# Altium PCB PCB1.PcbDoc (part 1 of 2) (continued)
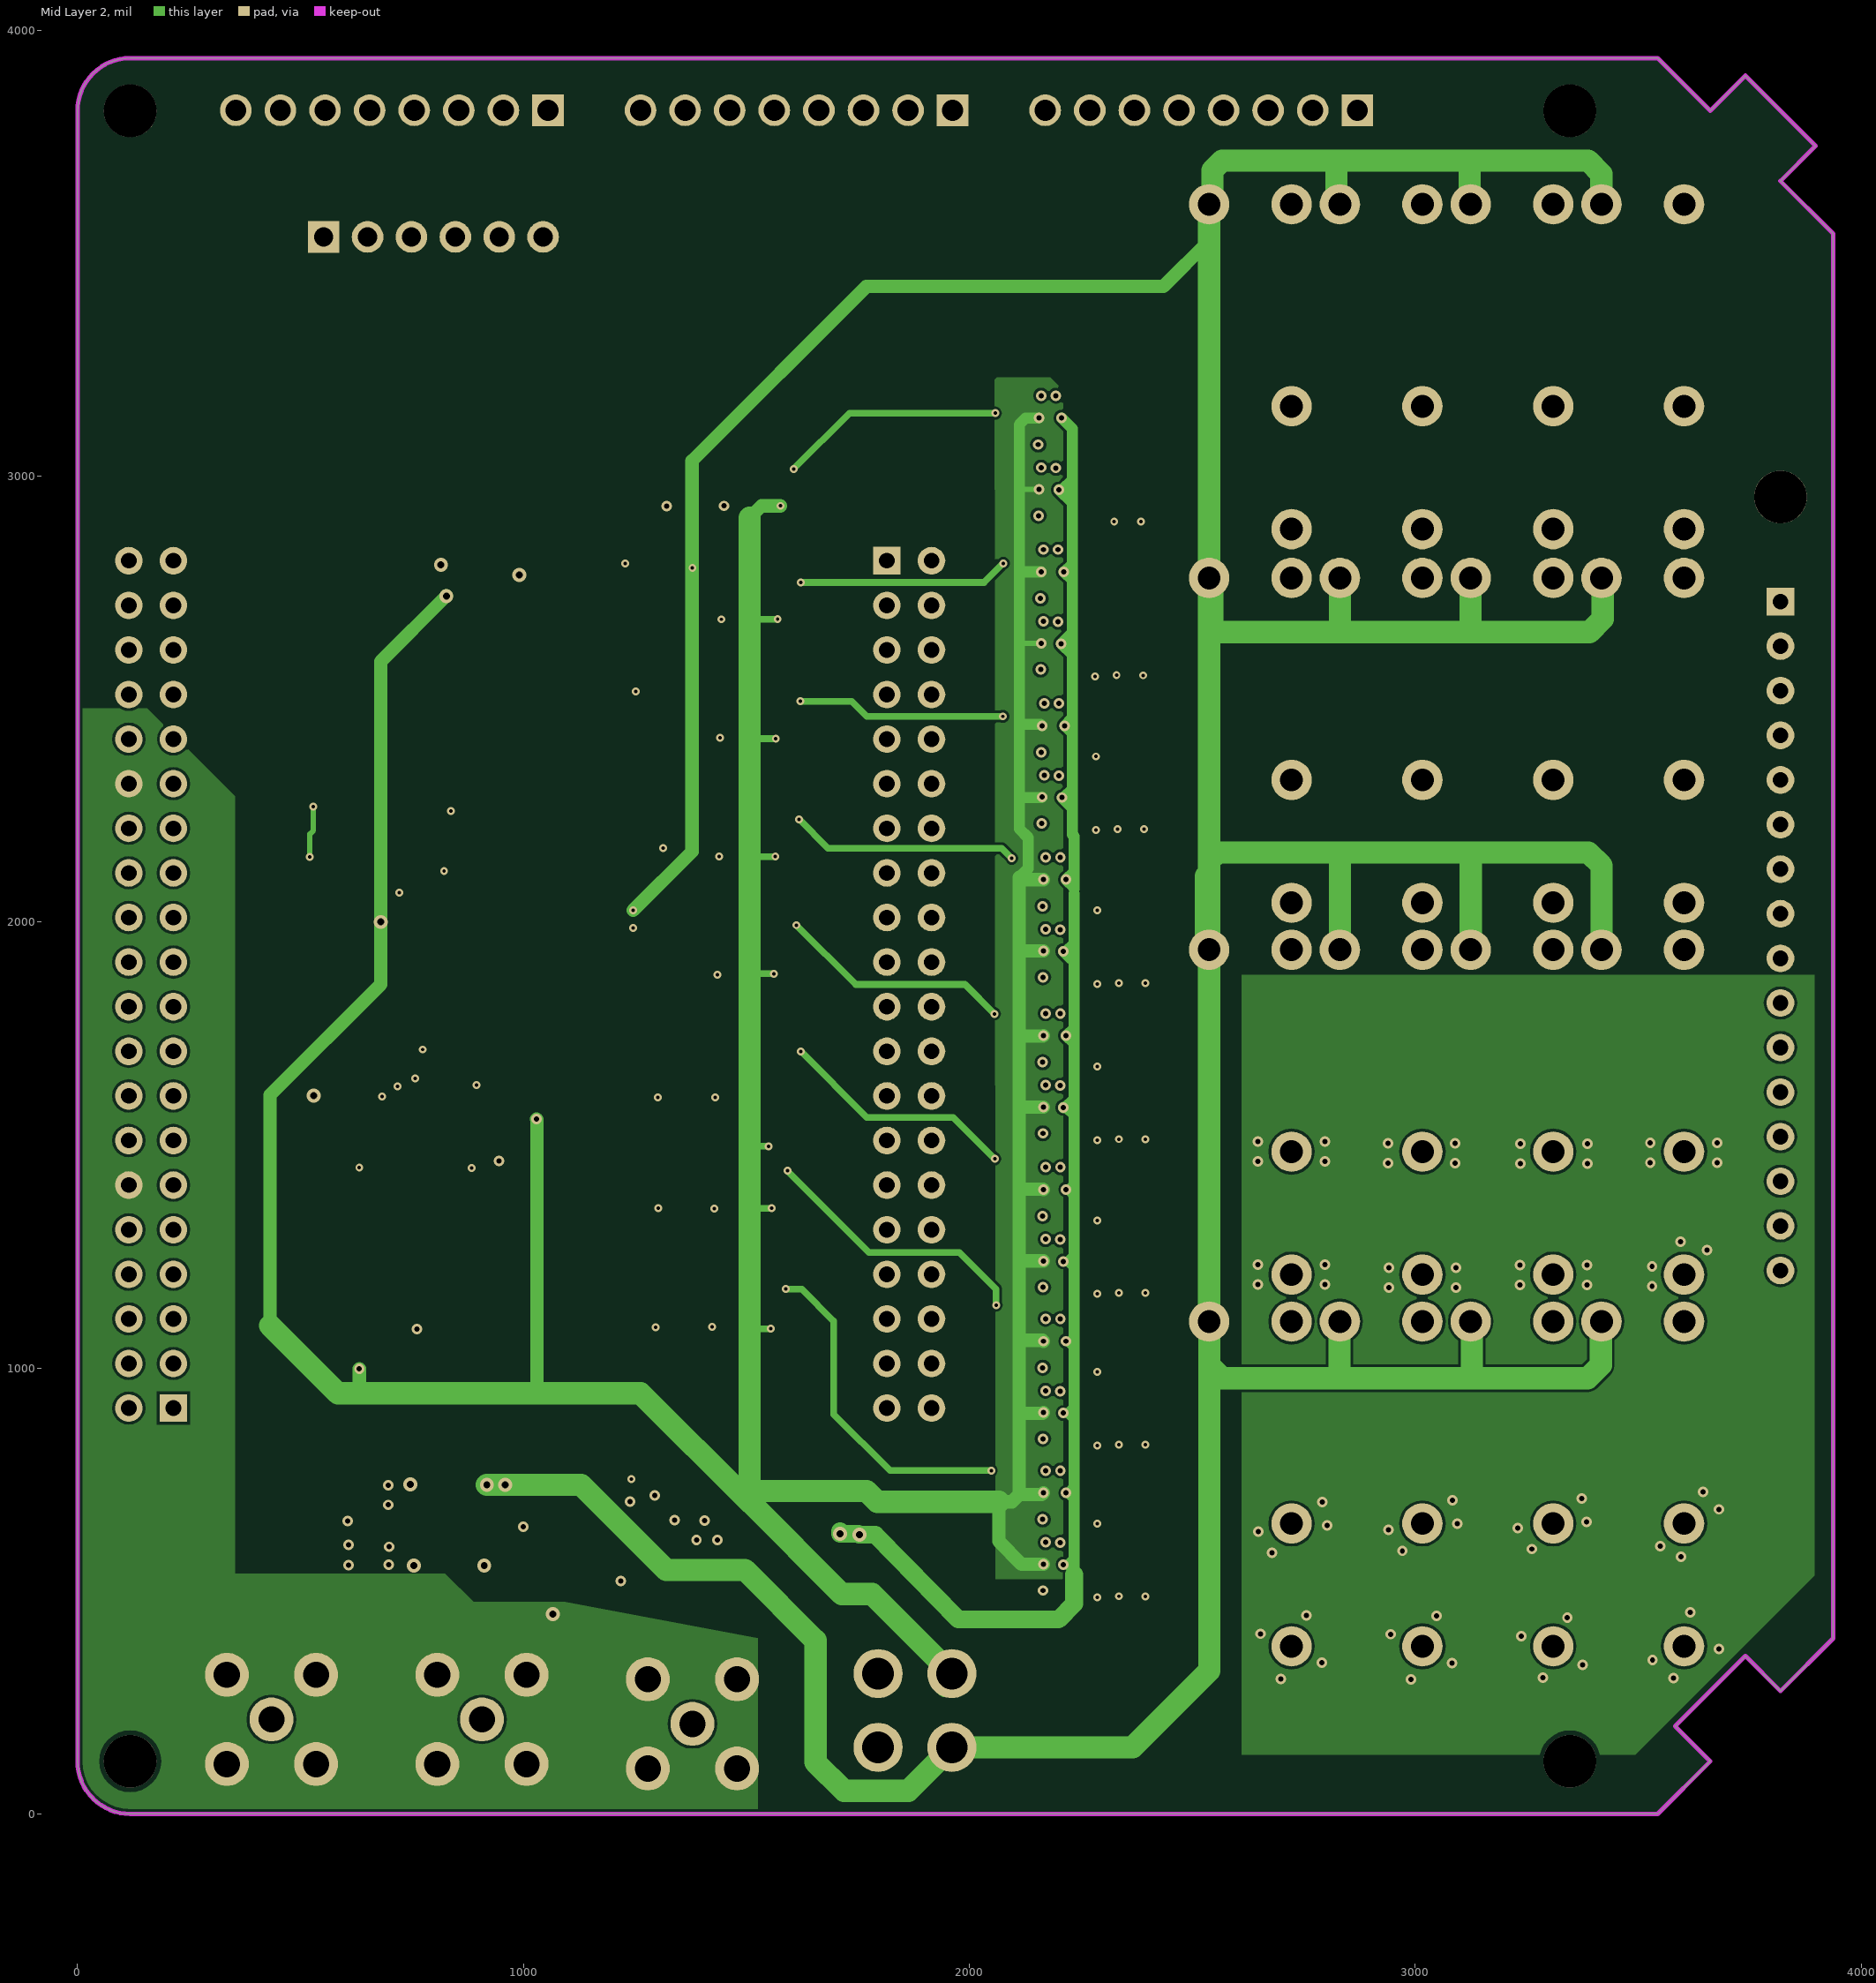
[diagram p3: Mid Layer 2]

## Layer stack, top to bottom
Top Solder: solder mask 0.5, Solder Resist, Dk 3.8
Top Layer: signal copper 1.378
Dielectric 1: prepreg 3.937, 2313, Dk 4.05
Mid Layer 1: signal copper 0.689
Core: core 49.8031, FR-4, Dk 4.5
Mid Layer 2: signal copper 0.689
Dielectric 2: prepreg 3.937, 2313, Dk 4.05
Bottom Layer: signal copper 1.378
Bottom Solder: solder mask 0.5, Solder Resist, Dk 3.8

## Board outline
0,118.11 ccw(c118.11,118.11) 118.11,0 3543.31,0 3661.42,118.11 3655.21,124.29 3582.71,196.89 3740.21,354.29 3818.91,275.59 3937.01,393.7 3937.01,3543.31 3818.9,3661.41 3897.6,3740.11 3740.2,3897.61 3667.6,3825.11 3661.42,3818.9 3543.31,3937.01 118.11,3937.01 ccw(c118.11,3818.9) 0,3818.9

## Design rules (kind name [scope] priority, off if disabled: settings)
BoardOutlineClearance [All] p1: gap=7.87 ignorepadtopadclearanceinfootprint=FALSE
Clearance [All] p1: gap=6 ignorepadtopadclearanceinfootprint=FALSE except(4: Arc-Arc Arc-Track Arc-SMDPad Arc-THPad Arc-Text Track-Track Track-SMDPad Track-THPad Track-Text SMDPad-SMDPad SMDPad-THPad SMDPad-Text THPad-THPad THPad-Text Fill-Text Poly-Text Region-Text Text-Text; 5: Arc-Via Track-Via SMDPad-Via THPad-Via Via-Via Via-Text; 9.84: Arc-Hole Track-Hole SMDPad-Hole THPad-Hole Via-Hole Fill-Hole Poly-Hole Region-Hole Text-Hole)
Clearance "Polygon Pour Clearence" [InPolygon] p2: gap=10 ignorepadtopadclearanceinfootprint=FALSE except(4: Arc-Arc Arc-Track Arc-SMDPad Arc-THPad Arc-Text Track-Track Track-SMDPad Track-THPad Track-Text SMDPad-SMDPad SMDPad-THPad SMDPad-Text THPad-THPad THPad-Text Fill-Text Poly-Text Region-Text Text-Text; 5: Arc-Via Track-Via SMDPad-Via THPad-Via Via-Via Via-Text; 9.84: Arc-Hole Track-Hole SMDPad-Hole THPad-Hole Via-Hole Fill-Hole Poly-Hole Region-Hole Text-Hole)
ComponentClearance [All] p1: gap=4 collisioncheckmode=3 verticalgap=4 showdistances=TRUE
DiffPairsRouting [All] p1: maxlimit=4 minlimit=4 mostfreqgap=4 toplayer_minwidth=4 toplayer_maxwidth=71497.94 toplayer_prefwidth=4 midlayer1_minwidth=4 midlayer1_maxwidth=71497.94 midlayer1_prefwidth=4 midlayer2_minwidth=4 midlayer2_maxwidth=71497.94 midlayer2_prefwidth=4 bottomlayer_minwidth=4 bottomlayer_maxwidth=71497.94 bottomlayer_prefwidth=4 maxuncoupledlength=500
Height [All] p1: minheight=0 maxheight=71497.94 prefheight=500
HoleSize [All] p1: absolutevalues=TRUE maxlimit=248.03 minlimit=7.87 maxpercent=80.000 minpercent=20.000
HoleToHoleClearance [All] p1: gap=9.84 allowstackedmicrovias=FALSE
MinimumAnnularRing [All] p1: minimumring=3
MinimumSolderMaskSliver [All] p1: minsoldermaskwidth=0
PlaneClearance [All] p1: clearance=4
PlaneConnect PlaneConnectPowerPads [InPadClass('PowerPads')] p1: planeconnectstyle=Direct reliefexpansion=20 reliefentries=4 reliefconductorwidth=10 reliefairgap=10
PlaneConnect [All] p2: pad.planeconnectstyle=Relief pad.reliefexpansion=11.81 pad.reliefentries=4 pad.reliefconductorwidth=4 pad.reliefairgap=4 via.planeconnectstyle=Direct via.reliefexpansion=11.81 via.reliefentries=4 via.reliefconductorwidth=5 via.reliefairgap=5
PolygonConnect PolygonConnectPowerPads [All vs (InPadClass('PowerPads'))] p1: connectstyle=Direct reliefconductorwidth=10 reliefentries=4 polygonreliefangle="90 Angle" airgapwidth=10
PolygonConnect [All] p2: connectstyle=Direct reliefconductorwidth=4 reliefentries=4 polygonreliefangle="90 Angle" airgapwidth=4
RoutingVias [All] p1: holewidth=7.87 width=17.72 viastyle="Through Hole" minholewidth=7.87 minwidth=17.72 maxholewidth=248.03 maxwidth=257.87
SilkToSilkClearance [All] p1: silktosilkclearance=0
SilkToSolderMaskClearance [IsPad] p1: minsilkscreentomaskgap=4 clearancetoexposedcopper=TRUE
SolderMaskExpansion [All] p1: expansion=1.97
Width [All] p1: maxlimit=71497.94 minlimit=4 preferedwidth=4
20 further rules are at their usual default settings.

## Classes and differential pairs
component class "Level Translateor switches": C33 C34 Q1 Q2 Q3 Q4 Q5 Q6 Q7 Q8 R23 R24 R28 R29 R30 R39 R40 R43 R44 R49 R50 R51 R52 R53 R54 R55 R56 R57 R58 R59 R60 R61 R62 R63 R64 R65 R66 R67 R68 R69 R70 R71 T1 T2 T3 T4 T5 T6 T7 T8 T9 T10 T11 T12 T13 T14 T15 T16 U19 U25
component class "Shift Registers": C43 C44 CN4 U21 U22 U23 U24
component class "Logic Voltage Source": C41 C42 C45 C46 JP2 R6 R10 R11 R12 R22 U1 U20
component class "Level Translators": C1 C2 C3 C4 C5 C6 C7 C8 C9 C10 C11 C12 C13 C14 C15 C16 C17 C18 C19 C20 C21 C22 C23 C24 C25 C26 C27 C28 C29 C30 C31 C32 R1 R2 R3 R7 R8 R9 R13 R14 R15 R16 R17 R18 R19 R20 R21 R25 R26 R27 R31 R32 R33 R34 R35 R36 R37 R38 R41 R42 R45 R46 R47 R48 RLY1 RLY2 RLY3 RLY4 RLY5 RLY6 RLY7 RLY8 RLY9 RLY10 RLY11 RLY12 RLY13 RLY14 RLY15 RLY16 U3 U4 U5 U6 U7 U8 U9 U10 U11 U12 U13 U14 U15 U16 U17 U18
component class FPGA: CN1 CN2 CN3 CN5 P1 RF1 RF2 RF3 U2

## Components (designator, comment, footprint, x,y, rotation, side; value= is the part's Value field where it differs from the comment)
C1 "100nF" C0603 2132.56,1110 r180 top
C2 "100nF" C0603 2242.56,1110 r180 top
C3 "100nF" C0603 2122.44,3180 r180 top
C4 "100nF" C0603 2232.44,3180 r180 top
C5 "100nF" C0603 2132.44,2145 r180 top
C6 "100nF" C0603 2242.44,2145 r180 top
C7 "100nF" C0603 2132.56,950 r180 top
C8 "100nF" C0603 2242.56,950 r180 top
C9 "100nF" C0603 2122.44,3020 r180 top
C10 "100nF" C0603 2232.44,3020 r180 top
C11 "100nF" C0603 2132.44,1985 r180 top
C12 "100nF" C0603 2242.44,1985 r180 top
C13 "100nF" C0603 2132.56,770 r180 top
C14 "100nF" C0603 2242.56,770 r180 top
C15 "100nF" C0603 2127.56,2835 r180 top
C16 "100nF" C0603 2237.56,2835 r180 top
C17 "100nF" C0603 2132.56,1795 r180 top
C18 "100nF" C0603 2242.56,1795 r180 top
C19 "100nF" C0603 2132.56,610 r180 top
C20 "100nF" C0603 2242.56,610 r180 top
C21 "100nF" C0603 2127.56,2675 r180 top
C22 "100nF" C0603 2237.56,2675 r180 top
C23 "100nF" C0603 2132.56,1635 r180 top
C24 "100nF" C0603 2242.56,1635 r180 top
C25 "100nF" C0603 2130,2490 r180 top
C26 "100nF" C0603 2240,2490 r180 top
C27 "100nF" C0603 2132.56,1450 r180 top
C28 "100nF" C0603 2242.56,1450 r180 top
C29 "100nF" C0603 2130,2330 r180 top
C30 "100nF" C0603 2240,2330 r180 top
C31 "100nF" C0603 2132.56,1290 r180 top
C32 "100nF" C0603 2242.56,1290 r180 top
C33 "100nF" C0603 932,1557 r0 bottom
C34 "100nF" C0603 734,1001 r180 bottom
C41 "100nF" C0603 829,557 r0 top
C42 "470nF" C0603 832,739 r0 top
C43 "100nF" C0603 627.44,2695 r180 bottom
C44 "100nF" C0603 627.56,2065 r180 bottom
C45 "4.7uF" CAPC1608X09N 1066,514 r90 top
C46 "4.7uF" CAPC1608X09N 1295,686 r90 top
CN1 "B8B-XH-A (LF)(SN)" "CONN-TH_B8B-XH-A (LF)(SN)" 2520,3820 r0 bottom
CN2 "B8B-XH-A (LF)(SN)" "CONN-TH_B8B-XH-A (LF)(SN)" 1612.5,3820 r0 bottom
CN3 "B8B-XH-A (LF)(SN)" "CONN-TH_B8B-XH-A (LF)(SN)" 705,3820 r0 bottom
CN4 "B6B-XH-A(LF)(SN)" CONN-TH_6P-P2.50_B6B-XH-A(LF)(SN) 798,3536 r0 bottom
CN5 "pitch4.2MMsocket2*2P" CONN-TH_HAA420A-4A 1878,232 r0 bottom
IMPORTED_IMAGE "Comment" IMPORTED_IMAGE 2479.1,2353.77 r270 top
IMPORTED_IMAGE1 "Comment" IMPORTED_IMAGE 311,1438 r90 top
IMPORTED_IMAGE2 "Comment" IMPORTED_IMAGE 2481,2864 r180 top
IMPORTED_IMAGE2 "Comment" IMPORTED_IMAGE 323,3359 r0 top
JP2 "Jumper Pad" PCB-sjva3kmaxrqfkswkvsp7-1 1612,694 r270 bottom
P1 "Header-Female-2.54_1x16" HDR-TH_16P-P2.54-V 3818.9,1968.5 r0 top locked
Q1 "MMBT3904LT1G" SOT-23-3 1310.4,2974 r90 top
Q2 "MMBT3904LT1G" SOT-23-3 1298,2720 r90 top
Q3 "MMBT3904LT1G" SOT-23-3 1300,2188.66 r90 top
Q4 "MMBT3904LT1G" SOT-23-3 1290.6,1132.66 r90 top
Q5 "MMBT3904LT1G" SOT-23-3 1302,2456 r90 top
Q6 "MMBT3904LT1G" SOT-23-3 1296,1662 r90 top
Q7 "MMBT3904LT1G" SOT-23-3 1299,1923 r90 top
Q8 "MMBT3904LT1G" SOT-23-3 1293,1399 r90 top
R1 "51" R0603 2362.56,1075 r0 top
R2 "51" R0603 2352.44,3145 r0 top
R3 "51" R0603 2362.44,2110 r0 top
R6 "10K" R0603 1137,516 r270 top
R7 "51" R0603 2362.56,1015 r0 top
R8 "51" R0603 2352.44,3085 r0 top
R9 "51" R0603 2362.44,2050 r0 top
R10 "100K" R0603 1046,778 r0 top
R11 "49.9K" R0603 831.56,650 r180 top
R12 "1K" R0603 1046,710 r180 top
R13 "1K" R0603 2335,885 r90 top
R14 "1K" R0603 2395,885 r90 top
R15 "1K" R0603 2324.89,2955 r90 top
R16 "1K" R0603 2384.89,2955 r90 top
R17 "1K" R0603 2334.89,1920 r90 top
R18 "1K" R0603 2394.89,1920 r90 top
R19 "51" R0603 2362.56,735 r0 top
R20 "51" R0603 2357.56,2800 r0 top
R21 "51" R0603 2362.56,1760 r0 top
R22 "10K" R0603 1044,641 r0 top
R23 "4.7K" R0603 1564.4,2869.34 r180 top
R24 "4.7K" R0603 1560,2613 r180 top
R25 "51" R0603 2362.56,675 r0 top
R26 "51" R0603 2357.56,2740 r0 top
R27 "51" R0603 2362.56,1700 r0 top
R28 "4.7K" R0603 1555,2079.66 r180 top
R29 "4.7K" R0603 1548.6,1024.66 r180 top
R30 "220" R0603 1304.4,2868.34 r0 top
R31 "1K" R0603 2335,545 r90 top
R32 "1K" R0603 2395,545 r90 top
R33 "1K" R0603 2330,2610 r90 top
R34 "1K" R0603 2390,2610 r90 top
R35 "1K" R0603 2335,1570 r90 top
R36 "1K" R0603 2395,1570 r90 top
R37 "51" R0603 2360,2455 r0 top
R38 "51" R0603 2362.56,1415 r0 top
R39 "220" R0603 1297,2613 r0 top
R40 "220" R0603 1299,2079.66 r0 top
R41 "51" R0603 2360,2395 r0 top
R42 "51" R0603 2362.56,1355 r0 top
R43 "220" R0603 1288.15,1024.66 r0 top
R44 "470" R0603 1184.4,2954.34 r270 top
R45 "1K" R0603 2332.44,2265 r90 top
R46 "1K" R0603 2392.44,2265 r90 top
R47 "1K" R0603 2335,1225 r90 top
R48 "1K" R0603 2395,1225 r90 top
R49 "470" R0603 1183,2692 r270 top
R50 "470" R0603 1185,2161.66 r270 top
R51 "470" R0603 1169.6,1111.66 r270 top
R52 "4.7K" R0603 1435.4,2868.34 r180 top
R53 "4.7K" R0603 1432,2613 r180 top
R54 "4.7K" R0603 1426,2079.66 r180 top
R55 "4.7K" R0603 1417.6,1023.66 r180 top
R56 "4.7K" R0603 1559,2349 r180 top
R57 "4.7K" R0603 1555,1555 r180 top
R58 "4.7K" R0603 1555,1818 r180 top
R59 "4.7K" R0603 1549,1291 r180 top
R60 "220" R0603 1299,2348 r0 top
R61 "220" R0603 1294,1554 r0 top
R62 "220" R0603 1295,1818 r0 top
R63 "220" R0603 1291,1289 r0 top
R64 "470" R0603 1179,2431 r270 top
R65 "470" R0603 1177,1641 r270 top
R66 "470" R0603 1174,1907 r270 top
R67 "470" R0603 1166,1382 r270 top
R68 "4.7K" R0603 1432,2348 r180 top
R69 "4.7K" R0603 1426,1555 r180 top
R70 "4.7K" R0603 1422,1818 r180 top
R71 "4.7K" R0603 1419,1290 r180 top
RF1 "KH-SMA-K513-G" ANT-TH_KH-SMA-K513-G 435,212 r90 bottom
RF2 "KH-SMA-K513-G" ANT-TH_KH-SMA-K513-G 1379,202 r90 bottom
RF3 "KH-SMA-K513-G" ANT-TH_KH-SMA-K513-G 907,212 r90 bottom
RLY1 "G5NB-1A-E-DC12" RELAY-TH_G5NB-1A-E-DCXX 3510,3245 r270 bottom
RLY2 "G5NB-1A-E-DC12" RELAY-TH_G5NB-1A-E-DCXX 3216.67,3245 r270 bottom
RLY3 "G5NB-1A-E-DC12" RELAY-TH_G5NB-1A-E-DCXX 2923.33,3245 r270 bottom
RLY4 "G5NB-1A-E-DC12" RELAY-TH_G5NB-1A-E-DCXX 2630,3245 r270 bottom
RLY5 "G5NB-1A-E-DC12" RELAY-TH_G5NB-1A-E-DCXX 3510,2407.23 r270 bottom
RLY6 "G5NB-1A-E-DC12" RELAY-TH_G5NB-1A-E-DCXX 3216.67,2407.23 r270 bottom
RLY7 "G5NB-1A-E-DC12" RELAY-TH_G5NB-1A-E-DCXX 2923.33,2407.23 r270 bottom
RLY8 "G5NB-1A-E-DC12" RELAY-TH_G5NB-1A-E-DCXX 2630,2407.23 r270 bottom
RLY9 "G5NB-1A-E-DC12" RELAY-TH_G5NB-1A-E-DCXX 3510,1573.62 r270 bottom
RLY10 "G5NB-1A-E-DC12" RELAY-TH_G5NB-1A-E-DCXX 3216.67,1573.62 r270 bottom
RLY11 "G5NB-1A-E-DC12" RELAY-TH_G5NB-1A-E-DCXX 2923.33,1573.62 r270 bottom
RLY12 "G5NB-1A-E-DC12" RELAY-TH_G5NB-1A-E-DCXX 2630,1573.62 r270 bottom
RLY13 "G5NB-1A-E-DC12" RELAY-TH_G5NB-1A-E-DCXX 3510,740 r270 bottom
RLY14 "G5NB-1A-E-DC12" RELAY-TH_G5NB-1A-E-DCXX 3216.67,740 r270 bottom
RLY15 "G5NB-1A-E-DC12" RELAY-TH_G5NB-1A-E-DCXX 2923.33,740 r270 bottom
RLY16 "G5NB-1A-E-DC12" RELAY-TH_G5NB-1A-E-DCXX 2630,740 r270 bottom
T1 "AO3401A" SOT-23-3 1566.4,2974.34 r90 top
T2 "AO3401A" SOT-23-3 1560,2720 r90 top
T3 "AO3401A" SOT-23-3 1557,2188.66 r90 top
T4 "AO3401A" SOT-23-3 1548,1133 r90 top
T5 "SI2302" SOT-23-3 1438.4,2974.34 r90 top
T6 "SI2302" SOT-23-3 1429,2720 r90 top
T7 "SI2302" SOT-23-3 1430,2188.66 r90 top
T8 "SI2302" SOT-23-3 1418,1133 r90 top
T9 "AO3401A" SOT-23-3 1559,2455 r90 top
T10 "AO3401A" SOT-23-3 1555,1663 r90 top
T11 "AO3401A" SOT-23-3 1554,1923 r90 top
T12 "AO3401A" SOT-23-3 1548.6,1399.34 r90 top
T13 "SI2302" SOT-23-3 1431,2456 r90 top
T14 "SI2302" SOT-23-3 1427,1663 r90 top
T15 "SI2302" SOT-23-3 1426,1923 r90 top
T16 "SI2302" SOT-23-3 1421,1399 r90 top
U1 "MCP1826T-ADJE/DC" MCP1826T-ADJE/DC 1158.96,550.63 r90 bottom locked
U2 "DE0 NANO UPSIDE-DOWN PIN HEADERS COPY" "DE0-NANO UPSIDE DOWN" 1915,2810 r0 bottom locked
U3 "74LVCH2T45DC-Q100H" VSSOP-8_L2.4-W2.1-P0.50-LS3.2-BR 2190,1030 r180 top
U4 "74LVCH2T45DC-Q100H" VSSOP-8_L2.4-W2.1-P0.50-LS3.2-BR 2179.89,3100 r180 top
U5 "74LVCH2T45DC-Q100H" VSSOP-8_L2.4-W2.1-P0.50-LS3.2-BR 2189.89,2065 r180 top
U6 "74LVCH2T45DC-Q100H" VSSOP-8_L2.4-W2.1-P0.50-LS3.2-BR 2190,870 r180 top
U7 "74LVCH2T45DC-Q100H" VSSOP-8_L2.4-W2.1-P0.50-LS3.2-BR 2179.89,2940 r180 top
U8 "74LVCH2T45DC-Q100H" VSSOP-8_L2.4-W2.1-P0.50-LS3.2-BR 2189.89,1905 r180 top
U9 "74LVCH2T45DC-Q100H" VSSOP-8_L2.4-W2.1-P0.50-LS3.2-BR 2190,690 r180 top
U10 "74LVCH2T45DC-Q100H" VSSOP-8_L2.4-W2.1-P0.50-LS3.2-BR 2185,2755 r180 top
U11 "74LVCH2T45DC-Q100H" VSSOP-8_L2.4-W2.1-P0.50-LS3.2-BR 2190,1715 r180 top
U12 "74LVCH2T45DC-Q100H" VSSOP-8_L2.4-W2.1-P0.50-LS3.2-BR 2190,530 r180 top
U13 "74LVCH2T45DC-Q100H" VSSOP-8_L2.4-W2.1-P0.50-LS3.2-BR 2185,2595 r180 top
U14 "74LVCH2T45DC-Q100H" VSSOP-8_L2.4-W2.1-P0.50-LS3.2-BR 2190,1555 r180 top
U15 "74LVCH2T45DC-Q100H" VSSOP-8_L2.4-W2.1-P0.50-LS3.2-BR 2187.44,2410 r180 top
U16 "74LVCH2T45DC-Q100H" VSSOP-8_L2.4-W2.1-P0.50-LS3.2-BR 2190,1370 r180 top
U17 "74LVCH2T45DC-Q100H" VSSOP-8_L2.4-W2.1-P0.50-LS3.2-BR 2187.44,2250 r180 top
U18 "74LVCH2T45DC-Q100H" VSSOP-8_L2.4-W2.1-P0.50-LS3.2-BR 2190,1210 r180 top
U19 "74HC595D,118" SOIC-16_L9.9-W3.9-P1.27-LS6.0-BL 808,1667 r180 top
U20 "L78M06CDT-TR" VREG_L78M06CDT-TR 786.49,649 r180 bottom
U21 "ULN2803A_C107219" SOP-18_L11.4-W7.6-P1.27-LS10.6-BL 1170,2485 r90 bottom
U22 "74HC595D,118" SOIC-16_L9.9-W3.9-P1.27-LS6.0-BL 720,2455 r270 bottom
U23 "ULN2803A_C107219" SOP-18_L11.4-W7.6-P1.27-LS10.6-BL 1170,1855 r90 bottom
U24 "74HC595D,118" SOIC-16_L9.9-W3.9-P1.27-LS6.0-BL 720,1825 r270 bottom
U25 "74HC595D,118" SOIC-16_L9.9-W3.9-P1.27-LS6.0-BL 749,1219 r90 top

## Footprints (in the part's own frame and the unit in brackets; to place one, negate y for a bottom-side part, rotate by r counter-clockwise, add the part's x,y. Pads: shape width x height; smd on the part's side, far side on the other; paste and mask are expansions set on the pad)
ANT-TH_KH-SMA-K513-G [mm]
  round 2.5 hole 1.5: 1(-2.54,-2.54) 2(-2.54,2.54) 3(2.54,2.54) 4(2.54,-2.54) 5(0,0)
  silkscreen extent -11.5,-3 3,3, body extent -11.59,-3.48 3.51,3.52, height 9.86
C0603 [mm]
  rect 0.8x0.9 smd: 1(-0.7,0) 2(0.7,0)
  silkscreen extent -1.4,-0.7 1.4,0.72, body extent -0.8,-0.4 0.8,0.4, height 0.8
CAPC1608X09N [mm]
  rect 0.9x1 smd: 1(-0.675,0) 2(0.675,0)
  silkscreen extent -1.14,-0.76 1.14,0.76, body extent -0.8,-0.4 0.8,0.4, height 0.45
CONN-TH_6P-P2.50_B6B-XH-A(LF)(SN) [mm]
  rect 1.8x1.8 hole 1.1: 1(-6.251,0.001)
  round 1.8 hole 1.1: 2(-3.749,-0.001) 3(-1.249,-0.001) 4(1.251,-0.001) 5(3.751,-0.001) 6(6.251,-0.001)
  silkscreen extent -8.75,-3.5 8.75,2.5, body extent -8.7,-3.4 8.7,2.35, height 7
"CONN-TH_B8B-XH-A (LF)(SN)" [mm]
  rect 1.8x1.8 hole 1.2: 1(8.89,0)
  round 1.8 hole 1.2: 2(6.35,0) 3(3.81,0) 4(1.27,0) 5(-1.27,0) 6(-3.81,0) 7(-6.35,0) 8(-8.89,0)
  silkscreen extent -11.22,-2.35 11.22,3.4, body extent -11.06,-2.35 11.34,3.4, height 7
CONN-TH_HAA420A-4A [mm]
  round 2.8 hole 1.8: 1(-2.101,-2.101) 2(-2.101,2.101) 3(2.101,-2.101) 4(2.101,2.101)
  silkscreen extent -5,-5 5,5.82, body extent -5.4,-5.35 5.4,6.05, height 2.1
"DE0-NANO UPSIDE DOWN" [mil]
  rect 62x62 hole 35: 01(-100,0) 11(-1700,1900)
  round 62 hole 35: 02(0,0) 03(-100,100) 04(0,100) 05(-100,200) 06(0,200) 07(-100,300) 08(0,300) 09(-100,400) 010(0,400) 011(-100,500) 12(-1800,1900) 012(0,500) 13(-1700,1800) 013(-100,600) 14(-1800,1800) 014(0,600) 15(-1700,1700) 015(-100,700) 16(-1800,1700) 016(0,700) 17(-1700,1600) 017(-100,800) 18(-1800,1600) 018(0,800) 19(-1700,1500) 019(-100,900) 020(0,900) 021(-100,1000) 022(0,1000) 023(-100,1100) 024(0,1100) 025(-100,1200) 026(0,1200) 027(-100,1300) 028(0,1300) 029(-100,1400) 030(0,1400) 031(-100,1500) 032(0,1500) 033(-100,1600) 034(0,1600) 035(-100,1700) 036(0,1700) 037(-100,1800) 038(0,1800) 039(-100,1900) 040(0,1900) 110(-1800,1500) 111(-1700,1400) 112(-1800,1400) 113(-1700,1300) 114(-1800,1300) 115(-1700,1200) 116(-1800,1200) 117(-1700,1100) 118(-1800,1100) 119(-1700,1000) 120(-1800,1000) 121(-1700,900) 122(-1800,900) 123(-1700,800) 124(-1800,800) 125(-1700,700) 126(-1800,700) 127(-1700,600) 128(-1800,600) 129(-1700,500) 130(-1800,500) 131(-1700,400) 132(-1800,400) 133(-1700,300) 134(-1800,300) 135(-1700,200) 136(-1800,200) 137(-1700,100) 138(-1800,100) 139(-1700,0) 140(-1800,0)
  silkscreen extent -1850,-600 50,2300, body extent -1850,-50 50,1950, height 276
HDR-TH_16P-P2.54-V [mil]
  rect 62x62 hole 35: 1(0,750)
  round 62 hole 35: 2(0,650) 3(0,550) 4(0,450) 5(0,350) 6(0,250) 7(0,150) 8(0,50) 9(0,-50) 10(0,-150) 11(0,-250) 12(0,-350) 13(0,-450) 14(0,-550) 15(0,-650) 16(0,-750)
  silkscreen extent -50,-800 50,800, body extent -50,-800 50,800, height 102
IMPORTED_IMAGE [mil]
MCP1826T-ADJE/DC [mil] "Adjustable 6V 0.8V ~ 5V 400mV @ 1A SOT-223-6 Dropout Regulators(LDO) RoHS"
  rect 24x85 smd paste+0 mask+0: 1(-0.35,7.9) 2(49.65,7.9) 3(99.65,7.9) 4(149.65,7.9) 5(199.65,7.9)
  rect 85x24 smd paste+0 mask+0: 3(100.37,250.04)
  Top Layer region: 161.65,210.23 161.65,295.23 37.65,295.23 37.65,210.23
  silkscreen extent -84,-18 234,205, body extent -29,-13 229,273, height 71
PCB-sjva3kmaxrqfkswkvsp7-1 [mil]
  rect 25x50 smd: 1(-18,0) 2(18,0)
  silkscreen extent -40,-39 40,39
R0603 [mm]
  rect 0.8x0.9 smd: 1(-0.7,0) 2(0.7,0)
  silkscreen extent -1.4,-0.75 1.4,0.76, body extent -0.85,-0.4 0.85,0.4, height 0.56
RELAY-TH_G5NB-1A-E-DCXX [mm]
  round 2.3 hole 1.3: 1(-9.249,-2.349) 2(2.252,-2.35) 3(9.249,-2.35) 4(-9.249,2.35)
  silkscreen extent -10.23,-3.5 10.27,3.52, body extent -10.29,-3.6 10.21,3.6, height 15.3
SOIC-16_L9.9-W3.9-P1.27-LS6.0-BL [mil]
  oval 23.62x70.79 smd: 1(-175,-117) 2(-125,-117) 3(-75,-117) 4(-25,-117) 5(25,-117) 6(75,-117) 7(125,-117) 8(175,-117) 9(175,117) 10(125,117) 11(75,117) 12(25,117) 13(-25,117) 14(-75,117) 15(-125,117) 16(-175,117)
  silkscreen extent -196,-73 196,72, body extent -195,-118 195,118, height 55
SOP-18_L11.4-W7.6-P1.27-LS10.6-BL [mil]
  rect 24x91 smd: 1(-200,-179) 2(-150,-179) 3(-100,-179) 4(-50,-179) 5(0,-179) 6(50,-179) 7(100,-179) 8(150,-179) 9(200,-179) 10(200,179) 11(150,179) 12(100,179) 13(50,179) 14(0,179) 15(-50,179) 16(-100,179) 17(-150,179) 18(-200,179)
  silkscreen extent -238,-207 224,118, body extent -231,-209 231,209, height 101
SOT-23-3 [mm]
  rect 1.3x0.6 smd: 1(-1.05,0.95) 2(1.05,0) 3(-1.05,-0.95)
  silkscreen extent -1.17,-1.5 0.7,1.92, body extent -1.42,-1.46 1.4,1.44, height 1.5
VREG_L78M06CDT-TR [mm]
  rect 3x1.6 smd: 1(-4.25,2.3) 3(-4.25,-2.3)
  rect 6.7x6.7 smd paste-4: 2(2.4,0)
  silkscreen extent -4.35,-3.25 -1.26,4.1, body extent -4.63,-3.25 5.27,3.25, height 2.32
VSSOP-8_L2.4-W2.1-P0.50-LS3.2-BR [mm]
  oval 1.1x0.28 smd mask+0.05: 1(1.55,-0.75) 2(1.55,-0.25) 3(1.55,0.25) 4(1.55,0.75) 5(-1.55,0.75) 6(-1.55,0.25) 7(-1.55,-0.25) 8(-1.55,-0.75)
  silkscreen extent -0.9,-1.02 0.9,1, body extent -1.6,-1.05 1.6,1.05, height 0.99
